# Altium PCB PCB.PcbDoc (part 10 of 11)
Units mm, origin at the board's own origin, x right, y up, seen from the top; angles counter-clockwise.
Board outline 134.62 x 134.62 mm, 2 copper layers (Top Layer, Bottom Layer); 223 components, 326 nets, 5222 pads, 379 vias.
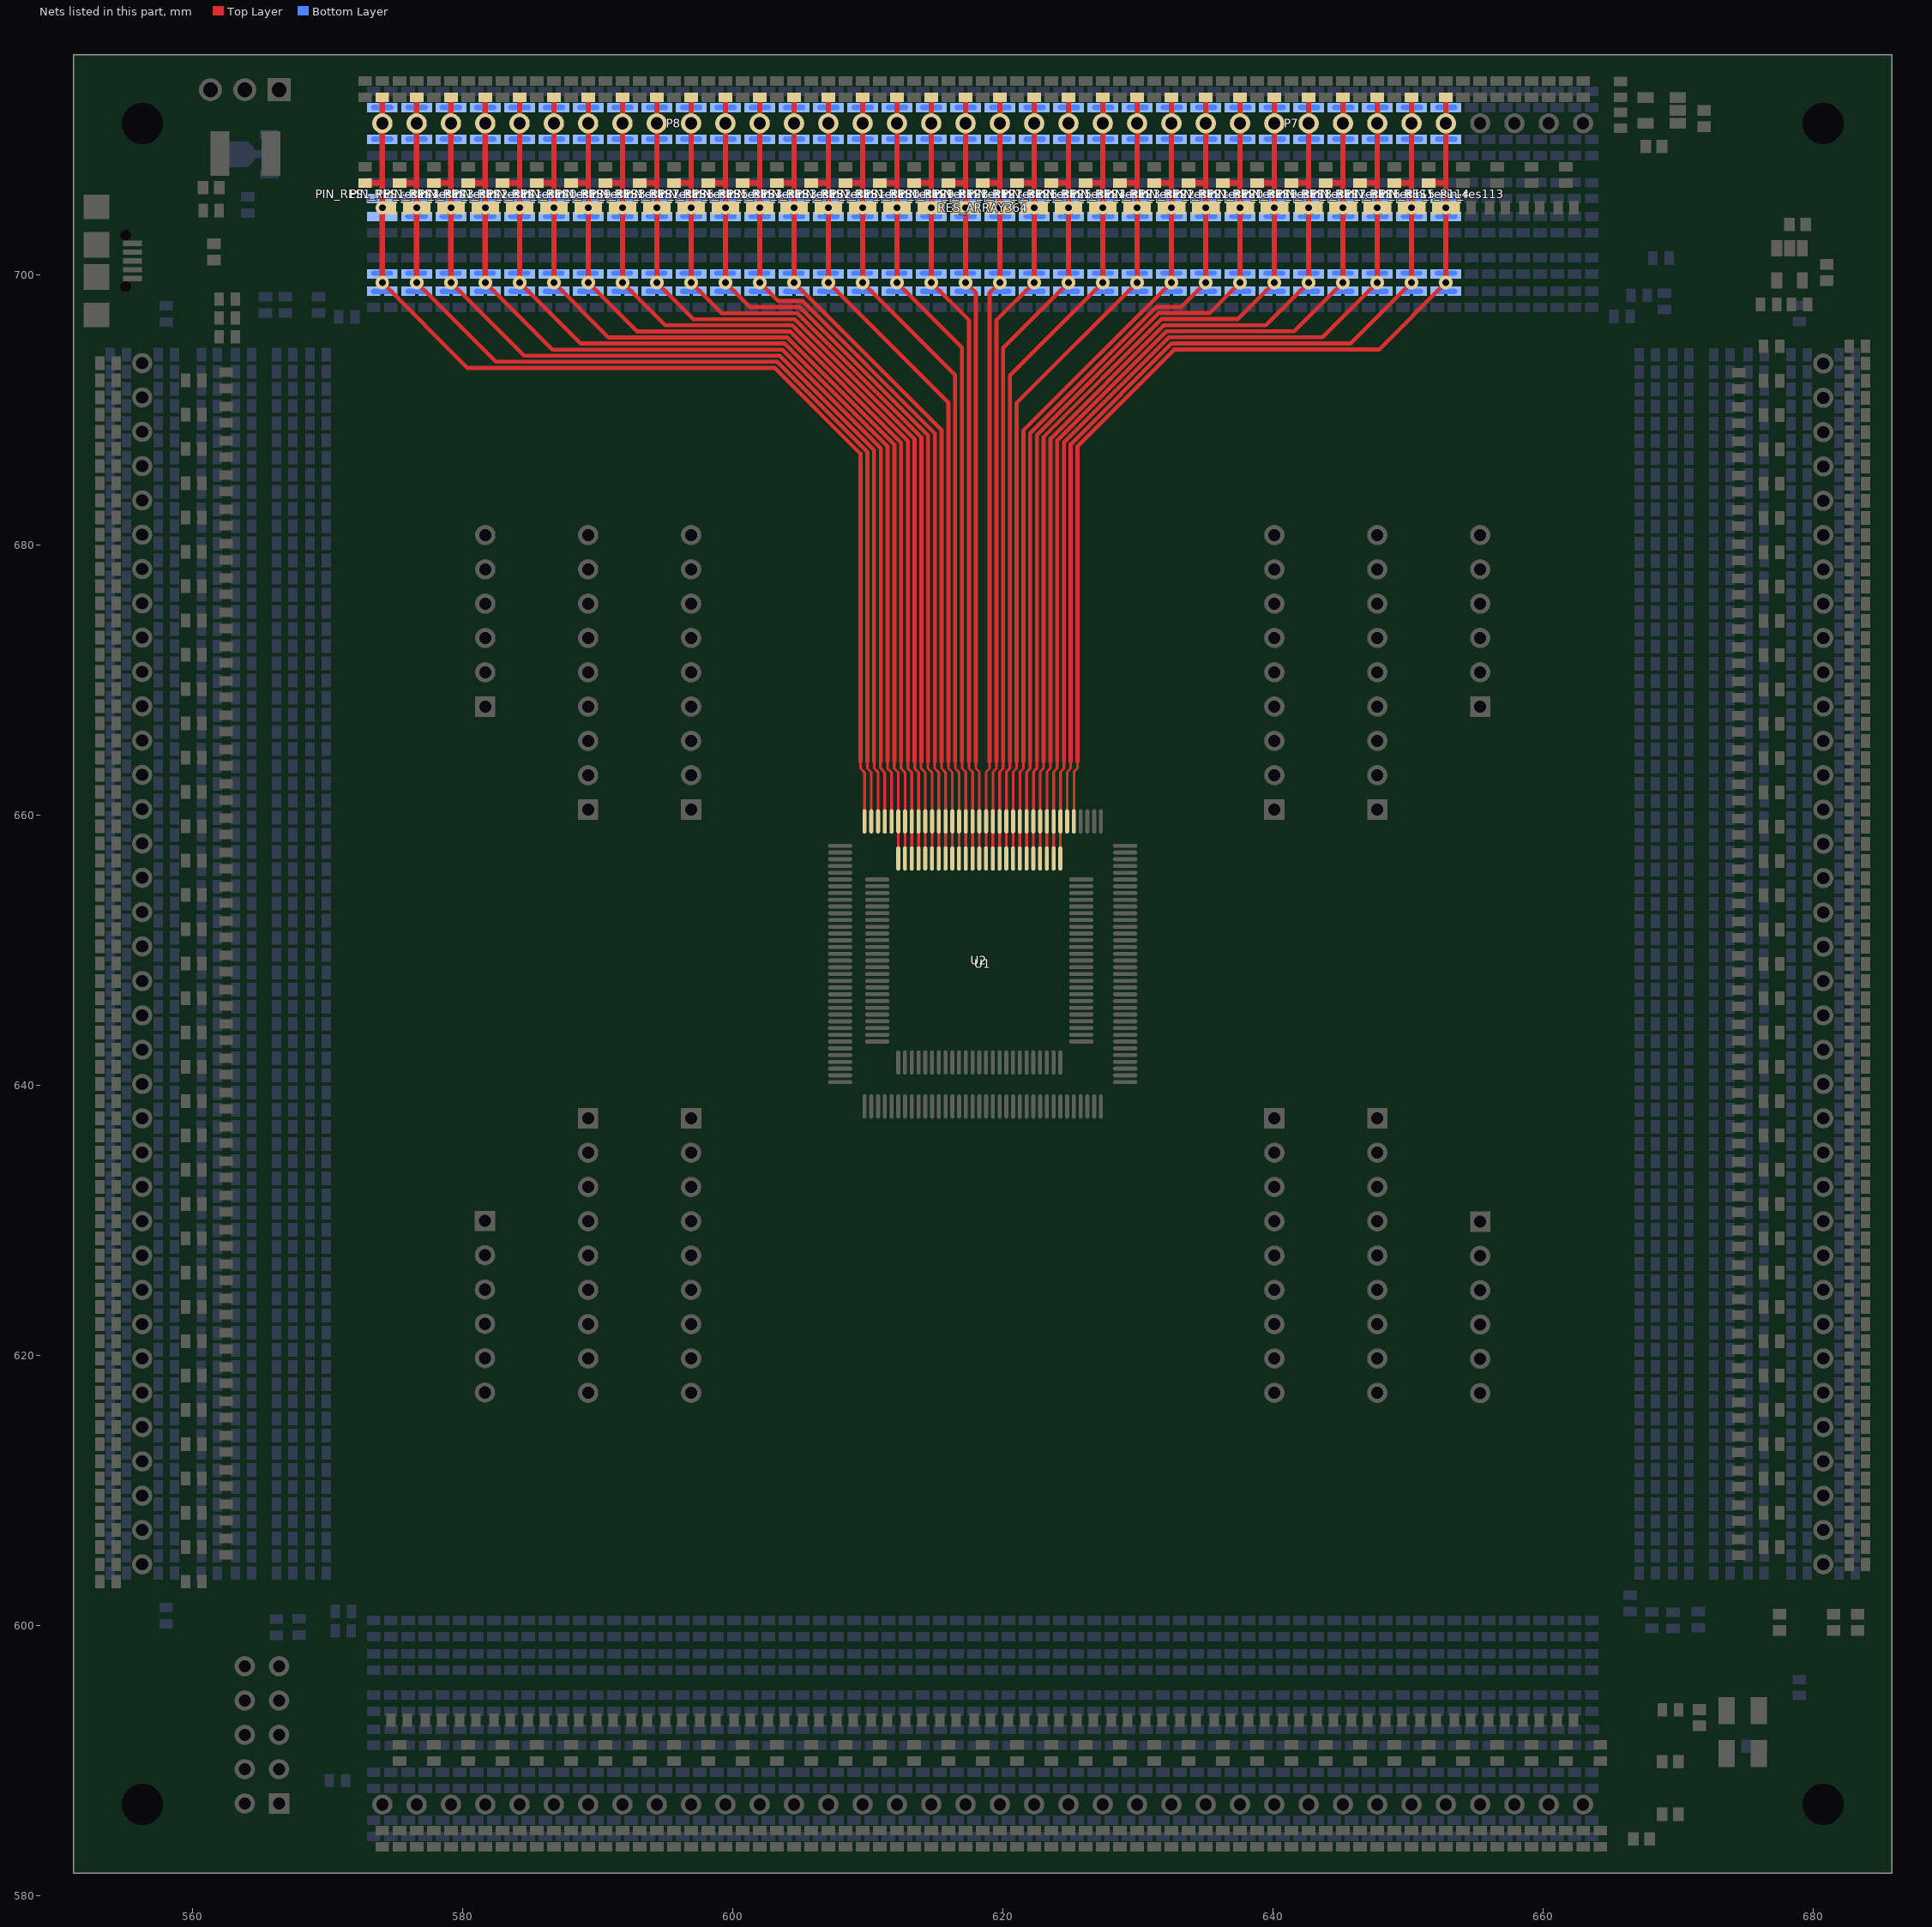
[diagram p10: the nets of this part, all layers, seen from the top]

## Via types
v1: diameter 1, hole 0.5, Top Layer to Bottom Layer, 322 vias
v2: diameter 1, hole 0.5, Top Layer to Bottom Layer, tented both sides, 57 vias

## Nets (pads, with @x,y where several pads share a name; then routed paths per layer and width w, separated by ;. In a path a pad name is that pad's centre, name@x,y a point inside that pad or via, vN(x,y) a via of type N, cw(c..) or ccw(c..) an arc to the next point about the centre after c; other vN are vias at no path point) (continued)
P113: P7.5 PIN_RES1_Pin_res113.14 RES_ARRAY364.5 U1.113 | length 88.5
  Top Layer w0.2: U1.113@625.24,659.52 625.252,659.532 625.252,663.2 625.506,663.454 625.506,663.956
  Top Layer w0.3: 625.506,663.956 625.506,687.31 632.654,694.458 647.824,694.458 v1(652.78,699.414)
  Top Layer w0.4: PIN_RES1_Pin_res113.14@651.51,706.79 652.745,706.79 652.78,706.755 ; v1(652.78,699.414) v1(652.78,704.952) 652.78,706.755 ; PIN_RES1_Pin_res113.14@652.78,713.14 P7.5@652.78,711.2 652.78,706.755
  Bottom Layer w0.4: PIN_RES1_Pin_res113.14@652.145,700.11 652.78,700.11 ; PIN_RES1_Pin_res113.14@652.145,705.647 652.805,705.647 ; PIN_RES1_Pin_res113.14@652.17,698.77 652.805,698.77 ; PIN_RES1_Pin_res113.14@652.17,704.307 652.805,704.307 ; PIN_RES1_Pin_res113.14@652.17,710.022 652.805,710.022 ; PIN_RES1_Pin_res113.14@652.17,712.378 652.805,712.378 ; v1(652.78,699.414) 652.78,700.11 ; PIN_RES1_Pin_res113.14@653.415,700.11 652.805,700.11 ; PIN_RES1_Pin_res113.14@653.415,705.647 652.805,705.647 ; PIN_RES1_Pin_res113.14@653.44,698.77 PIN_RES1_Pin_res113.14@653.415,698.77 652.805,698.77 ; PIN_RES1_Pin_res113.14@653.44,704.307 PIN_RES1_Pin_res113.14@653.415,704.307 652.805,704.307 ; PIN_RES1_Pin_res113.14@653.44,710.022 PIN_RES1_Pin_res113.14@653.415,710.022 652.805,710.022 ; PIN_RES1_Pin_res113.14@653.44,712.378 PIN_RES1_Pin_res113.14@653.415,712.378 652.805,712.378 ; 652.78,700.11 652.805,700.11 ; 652.805,698.77 652.805,700.11 ; 652.805,704.307 652.805,705.647 ; 652.805,710.022 652.805,712.378
P114: P7.6 PIN_RES1_Pin_res114.14 RES_ARRAY364.6 U1.114 | length 86.6
  Top Layer w0.2: U1.114@624.74,659.52 624.74,663.187 624.998,663.445 624.998,663.956
  Top Layer w0.3: 624.998,663.956 624.998,687.438 632.468,694.908 645.734,694.908 v1(650.24,699.414)
  Top Layer w0.4: PIN_RES1_Pin_res114.14@648.97,706.79 650.205,706.79 650.24,706.755 ; v1(650.24,699.414) v1(650.24,704.952) 650.24,706.755 ; PIN_RES1_Pin_res114.14@650.24,713.14 P7.6@650.24,711.2 650.24,706.755
  Bottom Layer w0.4: PIN_RES1_Pin_res114.14@649.605,700.11 650.24,700.11 ; PIN_RES1_Pin_res114.14@649.605,705.647 650.265,705.647 ; PIN_RES1_Pin_res114.14@649.63,698.77 650.265,698.77 ; PIN_RES1_Pin_res114.14@649.63,704.307 650.265,704.307 ; PIN_RES1_Pin_res114.14@649.63,710.022 650.265,710.022 ; PIN_RES1_Pin_res114.14@649.63,712.378 650.265,712.378 ; v1(650.24,699.414) 650.24,700.11 ; PIN_RES1_Pin_res114.14@650.875,700.11 650.265,700.11 ; PIN_RES1_Pin_res114.14@650.875,705.647 650.265,705.647 ; PIN_RES1_Pin_res114.14@650.9,698.77 PIN_RES1_Pin_res114.14@650.875,698.77 650.265,698.77 ; PIN_RES1_Pin_res114.14@650.9,704.307 PIN_RES1_Pin_res114.14@650.875,704.307 650.265,704.307 ; PIN_RES1_Pin_res114.14@650.9,710.022 PIN_RES1_Pin_res114.14@650.875,710.022 650.265,710.022 ; PIN_RES1_Pin_res114.14@650.9,712.378 PIN_RES1_Pin_res114.14@650.875,712.378 650.265,712.378 ; 650.24,700.11 650.265,700.11 ; 650.265,698.77 650.265,700.11 ; 650.265,704.307 650.265,705.647 ; 650.265,710.022 650.265,712.378
P115: P7.7 PIN_RES1_Pin_res115.14 RES_ARRAY364.7 U1.115 U2.76 | length 87.4
  Top Layer w0.2: U2.76@624.236,656.774 624.24,656.778 U1.115@624.24,659.52 624.252,659.532 624.252,663.194 624.506,663.448 624.506,663.956
  Top Layer w0.3: 624.506,663.956 624.506,687.583 632.281,695.358 643.644,695.358 v1(647.7,699.414)
  Top Layer w0.4: PIN_RES1_Pin_res115.14@646.43,706.79 647.665,706.79 647.7,706.755 ; v1(647.7,699.414) v1(647.7,704.952) 647.7,706.755 ; PIN_RES1_Pin_res115.14@647.7,713.14 P7.7@647.7,711.2 647.7,706.755
  Bottom Layer w0.4: PIN_RES1_Pin_res115.14@647.065,700.11 647.7,700.11 ; PIN_RES1_Pin_res115.14@647.065,705.647 647.725,705.647 ; PIN_RES1_Pin_res115.14@647.09,698.77 647.725,698.77 ; PIN_RES1_Pin_res115.14@647.09,704.307 647.725,704.307 ; PIN_RES1_Pin_res115.14@647.09,710.022 647.725,710.022 ; PIN_RES1_Pin_res115.14@647.09,712.378 647.725,712.378 ; v1(647.7,699.414) 647.7,700.11 ; PIN_RES1_Pin_res115.14@648.335,700.11 647.725,700.11 ; PIN_RES1_Pin_res115.14@648.335,705.647 647.725,705.647 ; PIN_RES1_Pin_res115.14@648.36,698.77 PIN_RES1_Pin_res115.14@648.335,698.77 647.725,698.77 ; PIN_RES1_Pin_res115.14@648.36,704.307 PIN_RES1_Pin_res115.14@648.335,704.307 647.725,704.307 ; PIN_RES1_Pin_res115.14@648.36,710.022 PIN_RES1_Pin_res115.14@648.335,710.022 647.725,710.022 ; PIN_RES1_Pin_res115.14@648.36,712.378 PIN_RES1_Pin_res115.14@648.335,712.378 647.725,712.378 ; 647.7,700.11 647.725,700.11 ; 647.725,698.77 647.725,700.11 ; 647.725,704.307 647.725,705.647 ; 647.725,710.022 647.725,712.378
P116: P7.8 PIN_RES1_Pin_res116.14 RES_ARRAY364.8 U1.116 U2.77 | length 85.4
  Top Layer w0.2: U2.77@623.736,656.774 623.74,656.778 U1.116@623.74,659.52 623.74,663.19 623.998,663.448 623.998,663.956
  Top Layer w0.3: 623.998,663.956 623.998,687.711 632.095,695.808 641.554,695.808 v1(645.16,699.414)
  Top Layer w0.4: PIN_RES1_Pin_res116.14@643.89,706.79 645.125,706.79 645.16,706.755 ; v1(645.16,699.414) v1(645.16,704.952) 645.16,706.755 ; PIN_RES1_Pin_res116.14@645.16,713.14 P7.8@645.16,711.2 645.16,706.755
  Bottom Layer w0.4: PIN_RES1_Pin_res116.14@644.525,700.11 645.16,700.11 ; PIN_RES1_Pin_res116.14@644.525,705.647 645.185,705.647 ; PIN_RES1_Pin_res116.14@644.55,698.77 645.185,698.77 ; PIN_RES1_Pin_res116.14@644.55,704.307 645.185,704.307 ; PIN_RES1_Pin_res116.14@644.55,710.022 645.185,710.022 ; PIN_RES1_Pin_res116.14@644.55,712.378 645.185,712.378 ; v1(645.16,699.414) 645.16,700.11 ; PIN_RES1_Pin_res116.14@645.795,700.11 645.185,700.11 ; PIN_RES1_Pin_res116.14@645.795,705.647 645.185,705.647 ; PIN_RES1_Pin_res116.14@645.82,698.77 PIN_RES1_Pin_res116.14@645.795,698.77 645.185,698.77 ; PIN_RES1_Pin_res116.14@645.82,704.307 PIN_RES1_Pin_res116.14@645.795,704.307 645.185,704.307 ; PIN_RES1_Pin_res116.14@645.82,710.022 PIN_RES1_Pin_res116.14@645.795,710.022 645.185,710.022 ; PIN_RES1_Pin_res116.14@645.82,712.378 PIN_RES1_Pin_res116.14@645.795,712.378 645.185,712.378 ; 645.16,700.11 645.185,700.11 ; 645.185,698.77 645.185,700.11 ; 645.185,704.307 645.185,705.647 ; 645.185,710.022 645.185,712.378
P117: P7.9 PIN_RES1_Pin_res117.14 RES_ARRAY364.9 U1.117 U2.78 | length 83.5
  Top Layer w0.2: U2.78@623.236,656.774 623.24,656.778 U1.117@623.24,659.52 623.252,659.532 623.252,663.206 623.506,663.46 623.506,663.956
  Top Layer w0.3: 623.506,663.956 623.506,687.855 631.909,696.258 639.464,696.258 v1(642.62,699.414)
  Top Layer w0.4: PIN_RES1_Pin_res117.14@641.35,706.79 642.585,706.79 642.62,706.755 ; v1(642.62,699.414) v1(642.62,704.952) 642.62,706.755 ; PIN_RES1_Pin_res117.14@642.62,713.14 P7.9@642.62,711.2 642.62,706.755
  Bottom Layer w0.4: PIN_RES1_Pin_res117.14@641.985,700.11 642.62,700.11 ; PIN_RES1_Pin_res117.14@641.985,705.647 642.645,705.647 ; PIN_RES1_Pin_res117.14@642.01,698.77 642.645,698.77 ; PIN_RES1_Pin_res117.14@642.01,704.307 642.645,704.307 ; PIN_RES1_Pin_res117.14@642.01,710.022 642.645,710.022 ; PIN_RES1_Pin_res117.14@642.01,712.378 642.645,712.378 ; v1(642.62,699.414) 642.62,700.11 ; PIN_RES1_Pin_res117.14@643.255,700.11 642.645,700.11 ; PIN_RES1_Pin_res117.14@643.255,705.647 642.645,705.647 ; PIN_RES1_Pin_res117.14@643.28,698.77 PIN_RES1_Pin_res117.14@643.255,698.77 642.645,698.77 ; PIN_RES1_Pin_res117.14@643.28,704.307 PIN_RES1_Pin_res117.14@643.255,704.307 642.645,704.307 ; PIN_RES1_Pin_res117.14@643.28,710.022 PIN_RES1_Pin_res117.14@643.255,710.022 642.645,710.022 ; PIN_RES1_Pin_res117.14@643.28,712.378 PIN_RES1_Pin_res117.14@643.255,712.378 642.645,712.378 ; 642.62,700.11 642.645,700.11 ; 642.645,698.77 642.645,700.11 ; 642.645,704.307 642.645,705.647 ; 642.645,710.022 642.645,712.378
P118: P7.10 PIN_RES1_Pin_res118.14 RES_ARRAY364.10 U1.118 U2.79 | length 81.5
  Top Layer w0.2: U2.79@622.736,656.774 622.74,656.778 U1.118@622.74,659.52 622.74,663.202 622.998,663.46 622.998,663.956
  Top Layer w0.3: 622.998,663.956 622.998,687.984 631.722,696.708 637.374,696.708 v1(640.08,699.414)
  Top Layer w0.4: PIN_RES1_Pin_res118.14@638.81,706.79 640.045,706.79 640.08,706.755 ; v1(640.08,699.414) v1(640.08,704.952) 640.08,706.755 ; PIN_RES1_Pin_res118.14@640.08,713.14 P7.10@640.08,711.2 640.08,706.755
  Bottom Layer w0.4: PIN_RES1_Pin_res118.14@639.445,700.11 640.08,700.11 ; PIN_RES1_Pin_res118.14@639.445,705.647 640.105,705.647 ; PIN_RES1_Pin_res118.14@639.47,698.77 640.105,698.77 ; PIN_RES1_Pin_res118.14@639.47,704.307 640.105,704.307 ; PIN_RES1_Pin_res118.14@639.47,710.022 640.105,710.022 ; PIN_RES1_Pin_res118.14@639.47,712.378 640.105,712.378 ; v1(640.08,699.414) 640.08,700.11 ; PIN_RES1_Pin_res118.14@640.715,700.11 640.105,700.11 ; PIN_RES1_Pin_res118.14@640.715,705.647 640.105,705.647 ; PIN_RES1_Pin_res118.14@640.74,698.77 PIN_RES1_Pin_res118.14@640.715,698.77 640.105,698.77 ; PIN_RES1_Pin_res118.14@640.74,704.307 PIN_RES1_Pin_res118.14@640.715,704.307 640.105,704.307 ; PIN_RES1_Pin_res118.14@640.74,710.022 PIN_RES1_Pin_res118.14@640.715,710.022 640.105,710.022 ; PIN_RES1_Pin_res118.14@640.74,712.378 PIN_RES1_Pin_res118.14@640.715,712.378 640.105,712.378 ; 640.08,700.11 640.105,700.11 ; 640.105,698.77 640.105,700.11 ; 640.105,704.307 640.105,705.647 ; 640.105,710.022 640.105,712.378
P119: P7.11 PIN_RES1_Pin_res119.14 RES_ARRAY364.11 U1.119 U2.80 | length 79.5
  Top Layer w0.2: U2.80@622.236,656.774 622.24,656.778 U1.119@622.24,659.52 622.252,659.532 622.252,663.194 622.39,663.332 622.39,663.347 622.506,663.463 622.506,663.956
  Top Layer w0.3: 622.506,663.956 622.506,688.128 631.536,697.158 635.284,697.158 v1(637.54,699.414)
  Top Layer w0.4: PIN_RES1_Pin_res119.14@636.27,706.79 637.505,706.79 637.54,706.755 ; v1(637.54,699.414) v1(637.54,704.952) 637.54,706.755 ; PIN_RES1_Pin_res119.14@637.54,713.14 P7.11@637.54,711.2 637.54,706.755
  Bottom Layer w0.4: PIN_RES1_Pin_res119.14@636.905,700.11 637.54,700.11 ; PIN_RES1_Pin_res119.14@636.905,705.647 637.565,705.647 ; PIN_RES1_Pin_res119.14@636.93,698.77 637.565,698.77 ; PIN_RES1_Pin_res119.14@636.93,704.307 637.565,704.307 ; PIN_RES1_Pin_res119.14@636.93,710.022 637.565,710.022 ; PIN_RES1_Pin_res119.14@636.93,712.378 637.565,712.378 ; v1(637.54,699.414) 637.54,700.11 ; PIN_RES1_Pin_res119.14@638.175,700.11 637.565,700.11 ; PIN_RES1_Pin_res119.14@638.175,705.647 637.565,705.647 ; PIN_RES1_Pin_res119.14@638.2,698.77 PIN_RES1_Pin_res119.14@638.175,698.77 637.565,698.77 ; PIN_RES1_Pin_res119.14@638.2,704.307 PIN_RES1_Pin_res119.14@638.175,704.307 637.565,704.307 ; PIN_RES1_Pin_res119.14@638.2,710.022 PIN_RES1_Pin_res119.14@638.175,710.022 637.565,710.022 ; PIN_RES1_Pin_res119.14@638.2,712.378 PIN_RES1_Pin_res119.14@638.175,712.378 637.565,712.378 ; 637.54,700.11 637.565,700.11 ; 637.565,698.77 637.565,700.11 ; 637.565,704.307 637.565,705.647 ; 637.565,710.022 637.565,712.378
P120: P7.12 PIN_RES1_Pin_res120.14 RES_ARRAY364.12 U1.120 U2.81 | length 77.6
  Top Layer w0.2: U2.81@621.736,656.774 621.74,656.778 U1.120@621.74,659.52 621.74,663.18 621.998,663.438 621.998,663.956
  Top Layer w0.3: 621.998,663.956 621.998,688.257 631.349,697.608 633.194,697.608 v1(635,699.414)
  Top Layer w0.4: PIN_RES1_Pin_res120.14@633.73,706.79 634.965,706.79 635,706.755 ; v1(635,699.414) v1(635,704.952) 635,706.755 ; PIN_RES1_Pin_res120.14@635,713.14 P7.12@635,711.2 635,706.755
  Bottom Layer w0.4: PIN_RES1_Pin_res120.14@634.365,700.11 635,700.11 ; PIN_RES1_Pin_res120.14@634.365,705.647 635.025,705.647 ; PIN_RES1_Pin_res120.14@634.39,698.77 635.025,698.77 ; PIN_RES1_Pin_res120.14@634.39,704.307 635.025,704.307 ; PIN_RES1_Pin_res120.14@634.39,710.022 635.025,710.022 ; PIN_RES1_Pin_res120.14@634.39,712.378 635.025,712.378 ; v1(635,699.414) 635,700.11 ; PIN_RES1_Pin_res120.14@635.635,700.11 635.025,700.11 ; PIN_RES1_Pin_res120.14@635.635,705.647 635.025,705.647 ; PIN_RES1_Pin_res120.14@635.66,698.77 PIN_RES1_Pin_res120.14@635.635,698.77 635.025,698.77 ; PIN_RES1_Pin_res120.14@635.66,704.307 PIN_RES1_Pin_res120.14@635.635,704.307 635.025,704.307 ; PIN_RES1_Pin_res120.14@635.66,710.022 PIN_RES1_Pin_res120.14@635.635,710.022 635.025,710.022 ; PIN_RES1_Pin_res120.14@635.66,712.378 PIN_RES1_Pin_res120.14@635.635,712.378 635.025,712.378 ; 635,700.11 635.025,700.11 ; 635.025,698.77 635.025,700.11 ; 635.025,704.307 635.025,705.647 ; 635.025,710.022 635.025,712.378
P121: P7.13 PIN_RES1_Pin_res121.14 RES_ARRAY364.13 U1.121 U2.82 | length 75.7
  Top Layer w0.2: U2.82@621.236,656.774 621.24,656.778 U1.121@621.24,659.52 621.252,659.532 621.252,663.187 621.506,663.441 621.506,663.956
  Top Layer w0.3: 621.506,663.956 621.506,688.46 v1(632.46,699.414)
  Top Layer w0.4: PIN_RES1_Pin_res121.14@631.19,706.79 632.425,706.79 632.46,706.755 ; v1(632.46,699.414) v1(632.46,704.952) 632.46,706.755 ; PIN_RES1_Pin_res121.14@632.46,713.14 P7.13@632.46,711.2 632.46,706.755
  Bottom Layer w0.4: PIN_RES1_Pin_res121.14@631.825,700.11 632.46,700.11 ; PIN_RES1_Pin_res121.14@631.825,705.647 632.485,705.647 ; PIN_RES1_Pin_res121.14@631.85,698.77 632.485,698.77 ; PIN_RES1_Pin_res121.14@631.85,704.307 632.485,704.307 ; PIN_RES1_Pin_res121.14@631.85,710.022 632.485,710.022 ; PIN_RES1_Pin_res121.14@631.85,712.378 632.485,712.378 ; v1(632.46,699.414) 632.46,700.11 ; PIN_RES1_Pin_res121.14@633.095,700.11 632.485,700.11 ; PIN_RES1_Pin_res121.14@633.095,705.647 632.485,705.647 ; PIN_RES1_Pin_res121.14@633.12,698.77 PIN_RES1_Pin_res121.14@633.095,698.77 632.485,698.77 ; PIN_RES1_Pin_res121.14@633.12,704.307 PIN_RES1_Pin_res121.14@633.095,704.307 632.485,704.307 ; PIN_RES1_Pin_res121.14@633.12,710.022 PIN_RES1_Pin_res121.14@633.095,710.022 632.485,710.022 ; PIN_RES1_Pin_res121.14@633.12,712.378 PIN_RES1_Pin_res121.14@633.095,712.378 632.485,712.378 ; 632.46,700.11 632.485,700.11 ; 632.485,698.77 632.485,700.11 ; 632.485,704.307 632.485,705.647 ; 632.485,710.022 632.485,712.378
P122: P7.14 PIN_RES1_Pin_res122.14 RES_ARRAY364.14 U1.122 U2.83 | length 74.8
  Top Layer w0.2: U2.83@620.736,656.774 620.74,656.778 U1.122@620.74,659.52 620.74,663.19 620.998,663.448 620.998,663.956
  Top Layer w0.3: 620.998,663.956 620.998,690.492 v1(629.92,699.414)
  Top Layer w0.4: PIN_RES1_Pin_res122.14@628.65,706.79 629.885,706.79 629.92,706.755 ; v1(629.92,699.414) v1(629.92,704.952) 629.92,706.755 ; PIN_RES1_Pin_res122.14@629.92,713.14 P7.14@629.92,711.2 629.92,706.755
  Bottom Layer w0.4: PIN_RES1_Pin_res122.14@629.285,700.11 629.92,700.11 ; PIN_RES1_Pin_res122.14@629.285,705.647 629.945,705.647 ; PIN_RES1_Pin_res122.14@629.31,698.77 629.945,698.77 ; PIN_RES1_Pin_res122.14@629.31,704.307 629.945,704.307 ; PIN_RES1_Pin_res122.14@629.31,710.022 629.945,710.022 ; PIN_RES1_Pin_res122.14@629.31,712.378 629.945,712.378 ; v1(629.92,699.414) 629.92,700.11 ; PIN_RES1_Pin_res122.14@630.555,700.11 629.945,700.11 ; PIN_RES1_Pin_res122.14@630.555,705.647 629.945,705.647 ; PIN_RES1_Pin_res122.14@630.58,698.77 PIN_RES1_Pin_res122.14@630.555,698.77 629.945,698.77 ; PIN_RES1_Pin_res122.14@630.58,704.307 PIN_RES1_Pin_res122.14@630.555,704.307 629.945,704.307 ; PIN_RES1_Pin_res122.14@630.58,710.022 PIN_RES1_Pin_res122.14@630.555,710.022 629.945,710.022 ; PIN_RES1_Pin_res122.14@630.58,712.378 PIN_RES1_Pin_res122.14@630.555,712.378 629.945,712.378 ; 629.92,700.11 629.945,700.11 ; 629.945,698.77 629.945,700.11 ; 629.945,704.307 629.945,705.647 ; 629.945,710.022 629.945,712.378
P123: P7.15 PIN_RES1_Pin_res123.14 RES_ARRAY364.15 U1.123 U2.84 | length 74
  Top Layer w0.2: U2.84@620.236,656.774 620.24,656.778 U1.123@620.24,659.52 620.252,659.532 620.252,663.203 620.506,663.457 620.506,663.956
  Top Layer w0.3: 620.506,663.956 620.506,692.54 v1(627.38,699.414)
  Top Layer w0.4: PIN_RES1_Pin_res123.14@626.11,706.79 627.345,706.79 627.38,706.755 ; v1(627.38,699.414) v1(627.38,704.952) 627.38,706.755 ; PIN_RES1_Pin_res123.14@627.38,713.14 P7.15@627.38,711.2 627.38,706.755
  Bottom Layer w0.4: PIN_RES1_Pin_res123.14@626.745,700.11 627.38,700.11 ; PIN_RES1_Pin_res123.14@626.745,705.647 627.405,705.647 ; PIN_RES1_Pin_res123.14@626.77,698.77 627.405,698.77 ; PIN_RES1_Pin_res123.14@626.77,704.307 627.405,704.307 ; PIN_RES1_Pin_res123.14@626.77,710.022 627.405,710.022 ; PIN_RES1_Pin_res123.14@626.77,712.378 627.405,712.378 ; v1(627.38,699.414) 627.38,700.11 ; PIN_RES1_Pin_res123.14@628.015,700.11 627.405,700.11 ; PIN_RES1_Pin_res123.14@628.015,705.647 627.405,705.647 ; PIN_RES1_Pin_res123.14@628.04,698.77 PIN_RES1_Pin_res123.14@628.015,698.77 627.405,698.77 ; PIN_RES1_Pin_res123.14@628.04,704.307 PIN_RES1_Pin_res123.14@628.015,704.307 627.405,704.307 ; PIN_RES1_Pin_res123.14@628.04,710.022 PIN_RES1_Pin_res123.14@628.015,710.022 627.405,710.022 ; PIN_RES1_Pin_res123.14@628.04,712.378 PIN_RES1_Pin_res123.14@628.015,712.378 627.405,712.378 ; 627.38,700.11 627.405,700.11 ; 627.405,698.77 627.405,700.11 ; 627.405,704.307 627.405,705.647 ; 627.405,710.022 627.405,712.378
P124: P7.16 PIN_RES1_Pin_res124.14 RES_ARRAY364.16 U1.124 U2.85 | length 73.1
  Top Layer w0.2: U2.85@619.736,656.774 619.74,656.778 U1.124@619.74,659.52 619.74,663.187 619.998,663.445 619.998,663.956
  Top Layer w0.3: 619.998,663.956 619.998,694.572 v1(624.84,699.414)
  Top Layer w0.4: PIN_RES1_Pin_res124.14@623.57,706.79 624.805,706.79 624.84,706.755 ; v1(624.84,699.414) v1(624.84,704.952) 624.84,706.755 ; PIN_RES1_Pin_res124.14@624.84,713.14 P7.16@624.84,711.2 624.84,706.755
  Bottom Layer w0.4: PIN_RES1_Pin_res124.14@624.205,700.11 624.84,700.11 ; PIN_RES1_Pin_res124.14@624.205,705.647 624.865,705.647 ; PIN_RES1_Pin_res124.14@624.23,698.77 624.865,698.77 ; PIN_RES1_Pin_res124.14@624.23,704.307 624.865,704.307 ; PIN_RES1_Pin_res124.14@624.23,710.022 624.865,710.022 ; PIN_RES1_Pin_res124.14@624.23,712.378 624.865,712.378 ; v1(624.84,699.414) 624.84,700.11 ; PIN_RES1_Pin_res124.14@625.475,700.11 624.865,700.11 ; PIN_RES1_Pin_res124.14@625.475,705.647 624.865,705.647 ; PIN_RES1_Pin_res124.14@625.5,698.77 PIN_RES1_Pin_res124.14@625.475,698.77 624.865,698.77 ; PIN_RES1_Pin_res124.14@625.5,704.307 PIN_RES1_Pin_res124.14@625.475,704.307 624.865,704.307 ; PIN_RES1_Pin_res124.14@625.5,710.022 PIN_RES1_Pin_res124.14@625.475,710.022 624.865,710.022 ; PIN_RES1_Pin_res124.14@625.5,712.378 PIN_RES1_Pin_res124.14@625.475,712.378 624.865,712.378 ; 624.84,700.11 624.865,700.11 ; 624.865,698.77 624.865,700.11 ; 624.865,704.307 624.865,705.647 ; 624.865,710.022 624.865,712.378
P125: P7.17 PIN_RES1_Pin_res125.14 RES_ARRAY364.17 U1.125 U2.86 | length 72.3